# KiCad board vme-wren.kicad_pcb (continued)
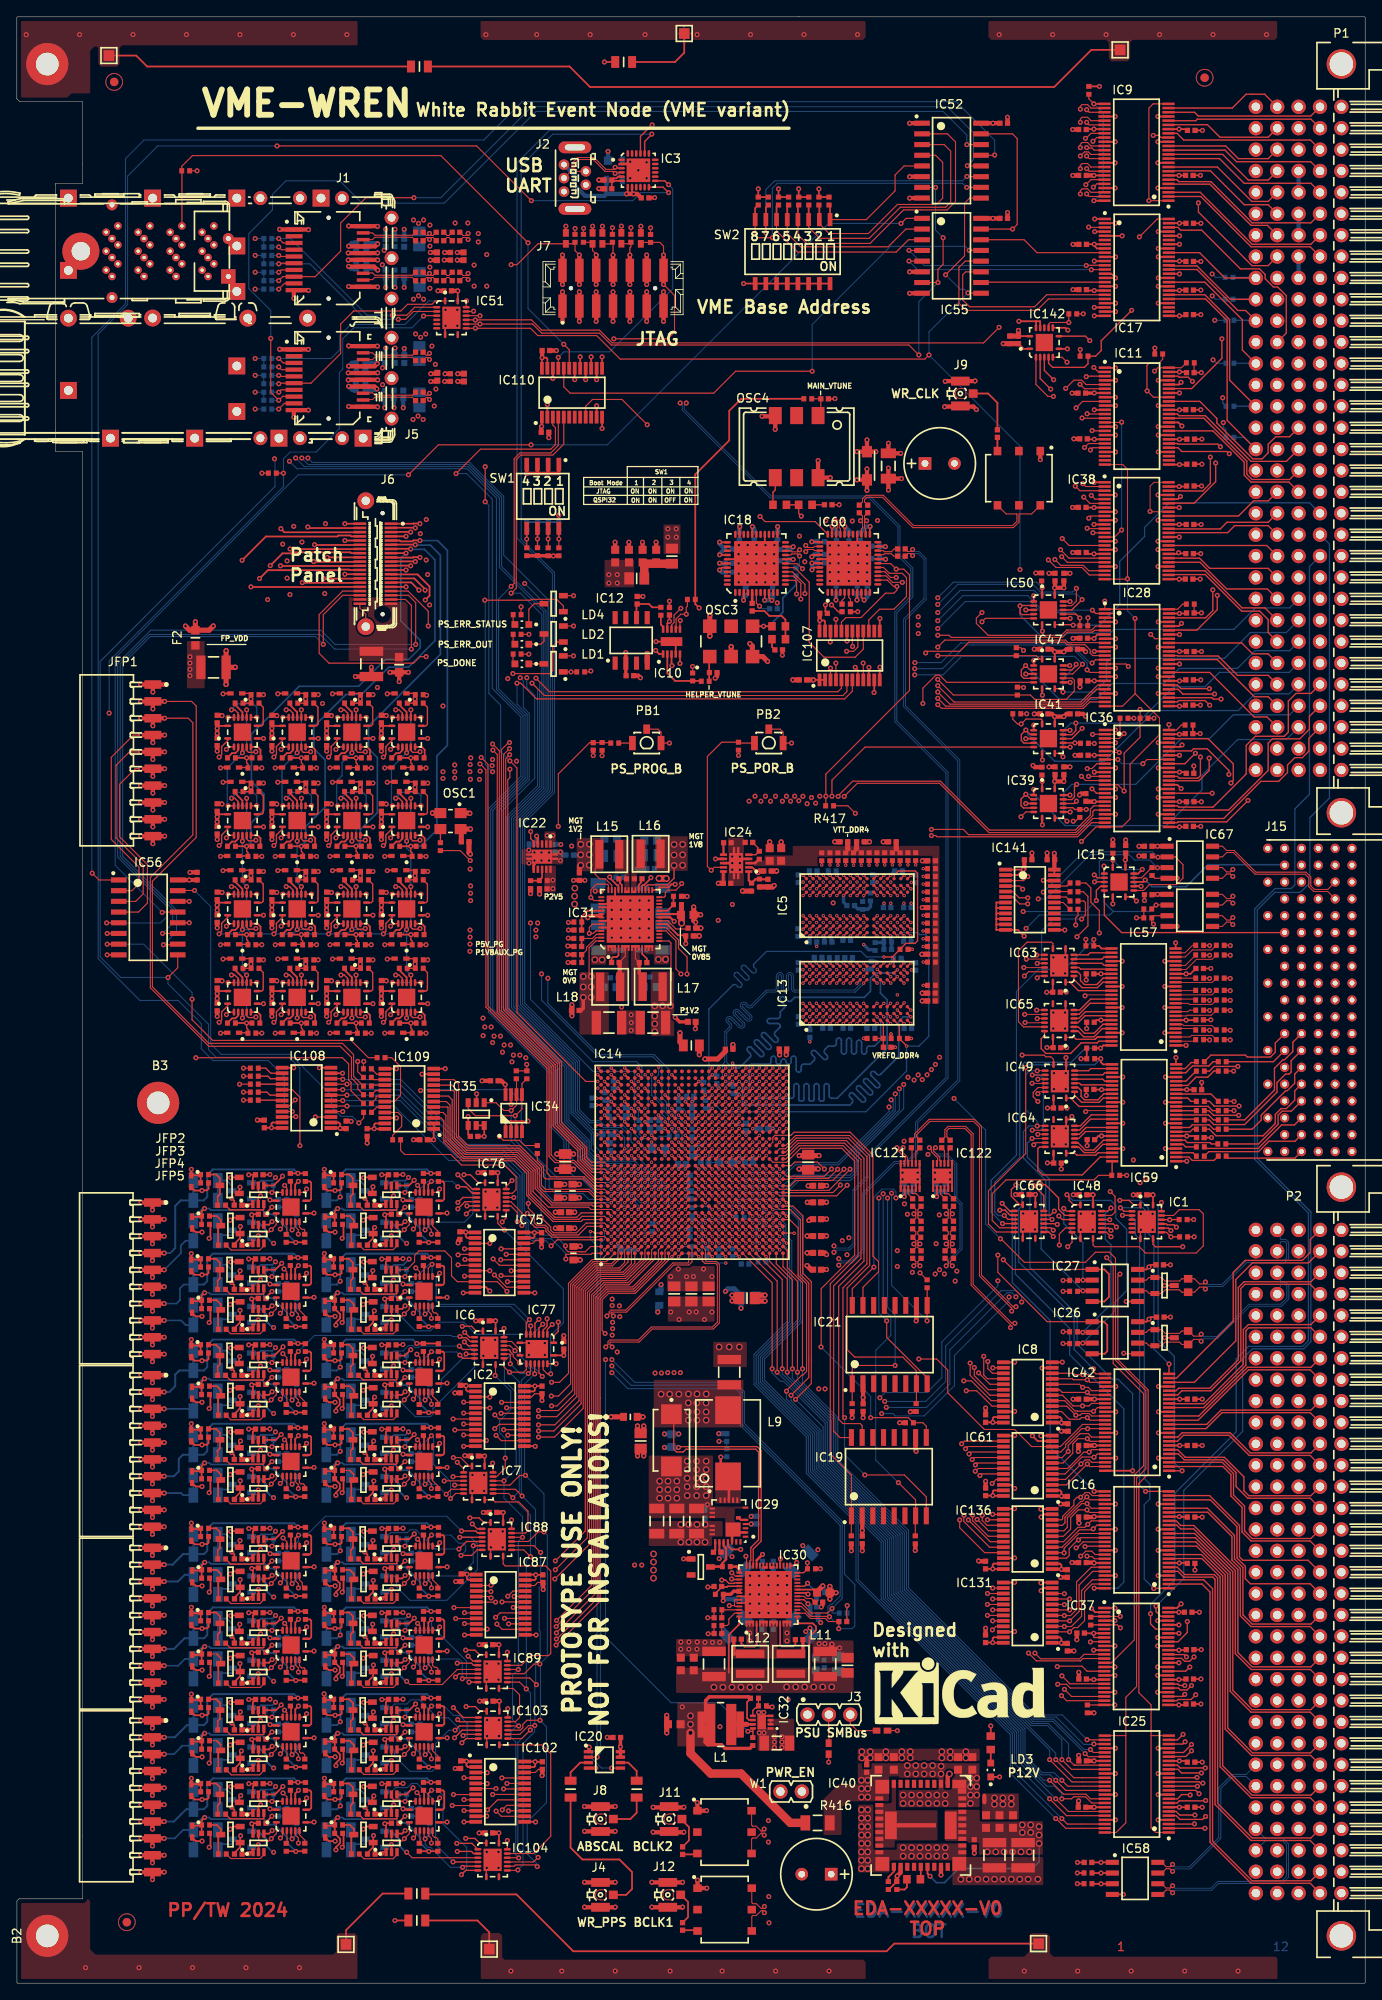
[diagram p0: board, top side]
## Library data of the parts (continued)
IC12 = -: Datasheet: \\cern.ch\dfs\Applications\Altium\Datasheets\REF5030AID.pdf; Author: CERN DEM MR; Bonding: No; Case: SOIC8; Component Kind: Standard; Component Type: Standard; ComponentHeight: 1.75mm; CreateDate: 10/14/16 00:00:00; Database Table Name: ICs And Semiconductors; Footprint Library: ICs And Semiconductors SMD; Footprint Path: PcbLib\ICs And Semiconductors SMD.PcbLib; Footprint Ref: SOIC127P600X175-8N; HelpURL: \\cern.ch\dfs\Applications\Altium\Datasheets\REF5030AID.pdf; LatestRevisionDate: 10/14/16 00:00:00; Library Name: Regulators; Library Path: SchLib\Regulators.SchLib; Library Ref: REF50xx; License: CC-BY-SA 4.0; Manufacturer: TEXAS INSTRUMENTS; Mounted: Yes; PackageDescription: SOIC 8, Pitch 1.27mm, Body 4x5mm, IPC Medium Density; Part Description: 3V, Low-Noise, Very Low Drift, Precision Voltage Reference, Standard Grade; Pin Count: 8; PressFit: No; SMD: Yes; Sense: No; Socket: No
IC14 = -: Datasheet: \\cern.ch\dfs\Applications\Altium\Datasheets\XCZU4CG-1SFVC784E.pdf; Author: CERN DEM HF; Bonding: No; Case: BGA784; Component Kind: Standard; Component Type: Standard; ComponentHeight: 3.32mm; ComponentLink1Description: Package/Pinout; ComponentLink1URL: \\cern.ch\dfs\Applications\Altium\Datasheets\XCZU4CG-1SFVC784E_Package-Pinout.pdf; ComponentLink2Description: Pinout; ComponentLink2URL: \\cern.ch\dfs\Applications\Altium\Datasheets\XCZU4CG-1SFVC784E_Pinout.pdf; CreateDate: 09/20/22 00:00:00; Database Table Name: ICs And Semiconductors; Footprint Library: ICs And Semiconductors SMD_BGA; Footprint Path: PcbLib\ICs And Semiconductors SMD_BGA.PcbLib; Footprint Ref: BGA784C80P28X28_2300X2300X332; HelpURL: \\cern.ch\dfs\Applications\Altium\Datasheets\XCZU4CG-1SFVC784E.pdf; LatestRevisionDate: 09/20/22 00:00:00; Library Name: Logic; Library Path: SchLib\Logic.SchLib; License: CC-BY-SA 4.0; Manufacturer: XILINX; Mounted: Yes; PackageDescription: BGA, 0.80mm Pitch, Square; 784 Pin, 28 Columns X 28 Rows, Body 23.0mm X 23.0mm X 3.32mm H, IPC Medium Density; Part Description: Zynq UltraScale+ MPSoC, Quad-Core ARM® Cortex™-A53 MPCore™ up to 1.5GHz, 214 PS I/O, 156 HP I/O, 96 HD I/O, 784-Pin BGA; Pin Count: 784; PressFit: No; SMD: Yes; Sense: No; Socket: No
IC15 IC23 IC39 IC41 IC44 IC47 IC53 IC62 IC69 IC72 IC78 IC81 IC84 IC90 IC93 IC96 IC99 IC105 IC112 IC115 IC118 IC124-IC130 IC132-IC135 IC137-IC140 = -: Datasheet: \\cern.ch\dfs\Applications\Altium\Datasheets\SN74LVTH125RGY.pdf; SMD: Yes; Library Ref: 74125; Library Path: SchLib\Standard Logic.SchLib; Component Kind: Standard; Component Type: Standard; PackageDescription: TEXAS Case Style RGY (S-PVQFN-N14), QFN, 0.50mm Pitch, Rect.; 14 Pin, 3.50mm L X 3.50mm W X 1mm H body (w/Thermal Tab 2.15 X 2.15mm); Part Description: 3.3V ABT Quadruple Bus Buffer with 3-State Outputs; Manufacturer: TEXAS INSTRUMENTS; Pin Count: 15; Case: QFN14; Mounted: Yes; Socket: No; PressFit: No; Sense: No; Bonding: No; ComponentHeight: 1mm; Footprint Path: PcbLib\ICs And Semiconductors SMD.PcbLib; Footprint Ref: TEXAS_RGY (S-PVQFN-N14); Author: CERN DEM BC; HelpURL: \\cern.ch\dfs\Applications\Altium\Datasheets\SN74LVTH125RGY.pdf; CreateDate: 04/22/20 00:00:00; LatestRevisionDate: 04/22/20 00:00:00; Database Table Name: ICs And Semiconductors; Library Name: Standard Logic; Footprint Library: ICs And Semiconductors SMD; License: CC-BY-SA 4.0
IC16 IC17 IC25 IC59 = -: Datasheet: \\cern.ch\dfs\Applications\Altium\Datasheets\SN74LVCH16T245DGG.pdf; SMD: Yes; Library Ref: 7416T245; Library Path: SchLib\Standard Logic.SchLib; Component Kind: Standard; Component Type: Standard; PackageDescription: SOP, 48-Leads, Body 12.6x6.2mm (max), Pitch 0.50mm, IPC Medium Density; Part Description: 16-Bit Dual-Supply Bus Transceiver with Configurable Voltage Translation and 3-State Outputs; Manufacturer: TEXAS INSTRUMENTS; Pin Count: 48; Case: TSSOP48; Mounted: Yes; Socket: No; PressFit: No; Sense: No; Bonding: No; ComponentHeight: 1.2mm; Footprint Path: PcbLib\ICs And Semiconductors SMD.PcbLib; Footprint Ref: SOP50P810X120-48N; Author: CERN DEM HF; HelpURL: \\cern.ch\dfs\Applications\Altium\Datasheets\SN74LVCH16T245DGG.pdf; CreateDate: 03/29/22 00:00:00; LatestRevisionDate: 03/29/22 00:00:00; Database Table Name: ICs And Semiconductors; Library Name: Standard Logic; Footprint Library: ICs And Semiconductors SMD; License: CC-BY-SA 4.0
IC18 = -: Datasheet: \\cern.ch\dfs\Applications\Altium\Datasheets\SI5340B-D-GM.pdf; Author: CERN DEM JLC; Bonding: No; Case: QFN44; Component Kind: Standard; Component Type: Standard; ComponentHeight: 0.9mm; CreateDate: 12/14/17 00:00:00; Database Table Name: ICs And Semiconductors; Footprint Library: ICs And Semiconductors SMD; Footprint Path: PcbLib\ICs And Semiconductors SMD.PcbLib; Footprint Ref: QFN50P700X700X90-45N-S530; HelpURL: \\cern.ch\dfs\Applications\Altium\Datasheets\SI5340B-D-GM.pdf; LatestRevisionDate: 12/14/17 00:00:00; Library Name: Analog & Interface; Library Path: SchLib\Analog & Interface.SchLib; Library Ref: SI5340; License: CC-BY-SA 4.0; Manufacturer: SILICON LABS; Mounted: Yes; PackageDescription: QFN, 0.50mm Pitch, Square; 44 Pin, 7.00mm L X 7.00mm W X 0.90mm H body (w/Thermal Tab 5.30 X 5.30mm), IPC Medium Density; Part Description: Low-Jitter, 4-Output, Any-Frequency, Any-Output Clock Generator; Pin Count: 45; PressFit: No; SMD: Yes; Sense: No; Socket: No
IC19 IC21 = -: Datasheet: \\cern.ch\dfs\Applications\Altium\Datasheets\MT25QU512ABB8ESF.pdf; Author: CERN DEM MR; Bonding: No; Case: SOIC16; Component Kind: Standard; Component Type: Standard; ComponentHeight: 2.65mm; CreateDate: 06/03/16 00:00:00; Database Table Name: ICs And Semiconductors; Footprint Library: ICs And Semiconductors SMD; Footprint Path: PcbLib\ICs And Semiconductors SMD.PcbLib; Footprint Ref: SOIC127P1030X265-16N; HelpURL: \\cern.ch\dfs\Applications\Altium\Datasheets\MT25QU512ABB8ESF.pdf; LatestRevisionDate: 06/03/16 00:00:00; Library Name: Logic; Library Path: SchLib\Logic.SchLib; Library Ref: MT25QxxxxxBB8ESF; License: CC-BY-SA 4.0; Manufacturer: MICRON TECHNOLOGY; Mounted: Yes; PackageDescription: SOIC, 1.27mm Pitch; 16 Pin, 7.50mm W X 10.3mm L X 2.65mm H body, IPC Medium Density; Part Description: 512Mbit (64MB), 1.7V-2.0V, Multiple I/O Serial NOR Flash Memory, with Reset# & Hold# Pins, –40°C to +85°C; Pin Count: 16; PressFit: No; SMD: Yes; Sense: No; Socket: No
IC20 = -: Datasheet: \\cern.ch\dfs\Applications\Altium\Datasheets\SN74LVC2G126.pdf; Author: CERN DEM MR; Bonding: No; Case: TSSOP8; Component Kind: Standard; Component Type: Standard; ComponentHeight: 1.3mm; CreateDate: 10/07/16 00:00:00; Database Table Name: ICs And Semiconductors; Footprint Library: ICs And Semiconductors SMD; Footprint Path: PcbLib\ICs And Semiconductors SMD.PcbLib; Footprint Ref: SOP65P400X130-8N; HelpURL: \\cern.ch\dfs\Applications\Altium\Datasheets\SN74LVC2G126.pdf; LatestRevisionDate: 07/28/20 00:00:00; Library Name: Standard Logic; Library Path: SchLib\Standard Logic.SchLib; Library Ref: 742G126; License: CC-BY-SA 4.0; Manufacturer: TEXAS INSTRUMENTS; Mounted: Yes; PackageDescription: SOP, 0.65mm Pitch; 8 Pin, 2.80mm W X 2.95mm L X 1.30mm H body, IPC Medium Density; Part Description: Dual Bus Buffer Gate With 3-State Outputs; Pin Count: 8; PressFit: No; SMD: Yes; Sense: No; Socket: No
IC22 = -: Datasheet: \\cern.ch\dfs\Applications\Altium\Datasheets\TPS74801DRCT.pdf; Author: CERN DEM JLC; Bonding: No; Case: SON10; Component Kind: Standard; Component Type: Standard; ComponentHeight: 1mm; CreateDate: 03/01/11 00:00:00; Database Table Name: ICs And Semiconductors; Footprint Library: ICs And Semiconductors SMD; Footprint Path: PcbLib\ICs And Semiconductors SMD.PcbLib; Footprint Ref: TEXAS_DRC (S-PVSON-N10); HelpURL: \\cern.ch\dfs\Applications\Altium\Datasheets\TPS74801DRCT.pdf; LatestRevisionDate: 11/06/13 00:00:00; Library Name: Regulators; Library Path: SchLib\Regulators.SchLib; Library Ref: TPS74801DRC; License: CC-BY-SA 4.0; Manufacturer: TEXAS INSTRUMENTS; Mounted: Yes; PackageDescription: TEXAS Case Style DRC (S-PVSON-N10), SON, 0.50mm Pitch, 10 Pin, 3.00mm W X 3.00mm L X 1.00mm H body, (w/Thermal Tab 1.75 X 2.50mm); Part Description: 0.8V to 3.6V 1.5A Low-Dropout Linear Regulator with Programmable Soft-Start; Pin Count: 11; PressFit: No; SMD: Yes; Sense: No; Socket: No
IC24 = -: Datasheet: \\cern.ch\dfs\Applications\Altium\Datasheets\TPS51200DRCT.pdf; Author: CERN DEM JLC; Bonding: No; Case: SON10; Component Kind: Standard; Component Type: Standard; ComponentHeight: 1mm; CreateDate: 02/03/10 00:00:00; Database Table Name: ICs And Semiconductors; Footprint Library: ICs And Semiconductors SMD; Footprint Path: PcbLib\ICs And Semiconductors SMD.PcbLib; Footprint Ref: TEXAS_DRC (S-PVSON-N10); HelpURL: \\cern.ch\dfs\Applications\Altium\Datasheets\TPS51200DRCT.pdf; LatestRevisionDate: 09/16/20 00:00:00; Library Name: Regulators; Library Path: SchLib\Regulators.SchLib; Library Ref: TPS51200DRC; License: CC-BY-SA 4.0; Manufacturer: TEXAS INSTRUMENTS; Mounted: Yes; PackageDescription: TEXAS Case Style DRC (S-PVSON-N10), SON, 0.50mm Pitch, 10 Pin, 3.00mm W  X 3.00mm L X 1.00mm H body, (w/Thermal Tab 1.75 X 2.50mm); Part Description: 3.3V Sink/Source DDR Termination Regulator; Pin Count: 11; PressFit: No; SMD: Yes; Sense: No; Socket: No
IC26 IC27 = -: Datasheet: \\cern.ch\dfs\Applications\Altium\Datasheets\MAX3430.pdf; Library Ref: MAX3430; Library Path: SchLib\Analog & Interface.SchLib; Component Kind: Standard; Component Type: Standard; PackageDescription: SOIC, 1.27mm Pitch; 8 Pin, 3.90mm W X 4.90mm L X 1.75mm H body, IPC Medium Density; Part Description: ±80V Fault-Protected, Fail-Safe, 1/4-Unit Load, +3.3V RS-485 Transceiver (-40°C to +85°C); Manufacturer: MAXIM; Pin Count: 8; Case: SOIC8; Mounted: Yes; Socket: No; SMD: Yes; PressFit: No; Sense: No; Bonding: No; ComponentHeight: 1.75mm; Footprint Path: PcbLib\ICs And Semiconductors SMD.PcbLib; Footprint Ref: SOIC127P600X175-8N; Author: CERN DEM BC; HelpURL: \\cern.ch\dfs\Applications\Altium\Datasheets\MAX3430.pdf; CreateDate: 02/10/20 00:00:00; LatestRevisionDate: 02/10/20 00:00:00; Database Table Name: ICs And Semiconductors; Library Name: Analog & Interface; Footprint Library: ICs And Semiconductors SMD; License: CC-BY-SA 4.0
IC29 = -: Datasheet: \\cern.ch\dfs\Applications\Altium\Datasheets\TDA21535AUMA1.pdf; Author: CERN DEM HF; Bonding: No; Case: PQFN28; Component Kind: Standard; Component Type: Standard; ComponentHeight: 1.1mm; CreateDate: 03/16/23 00:00:00; Database Table Name: ICs And Semiconductors; Footprint Library: ICs And Semiconductors SMD; Footprint Path: PcbLib\ICs And Semiconductors SMD.PcbLib; Footprint Ref: INFINEON_TDA21535; HelpURL: \\cern.ch\dfs\Applications\Altium\Datasheets\TDA21535AUMA1.pdf; LatestRevisionDate: 03/16/23 00:00:00; Library Name: Regulators; Library Path: SchLib\Regulators.SchLib; Library Ref: TDA21535; License: CC-BY-SA 4.0; Manufacturer: INFINEON; Mounted: Yes; PackageDescription: INFINEON INFINEON_TDA21535 ,PQFN 4 mm x 5 mm X 1.1mm H body; Part Description: 25A Half Bridge Driver for Synchronous Buck Converter; Pin Count: 27; PressFit: No; SMD: Yes; Sense: No; Socket: No; Status: Not Recommended; Status Comment: Solder Paste Deposition Limitation
IC30 IC31 = -: Datasheet: \\cern.ch\dfs\Applications\Altium\Datasheets\IRPS5401MTRPBF.pdf; Author: CERN DEM JLC; Bonding: No; Case: QFN; Component Kind: Standard; Component Type: Standard; ComponentHeight: 1mm; CreateDate: 08/21/18 00:00:00; Database Table Name: ICs And Semiconductors; Footprint Library: ICs And Semiconductors SMD; Footprint Path: PcbLib\ICs And Semiconductors SMD.PcbLib; Footprint Ref: INFINEON_PG-VQFN-56-900 (IRPS5401M); HelpURL: \\cern.ch\dfs\Applications\Altium\Datasheets\IRPS5401MTRPBF.pdf; LatestRevisionDate: 08/21/18 00:00:00; Library Name: Regulators; Library Path: SchLib\Regulators.SchLib; Library Ref: IRPS5401M; License: CC-BY-SA 4.0; Manufacturer: INFINEON; Mounted: Yes; PackageDescription: INFINEON Package PG-VQFN-56-900 (Version for IRPS5401M), 0.40mm Pitch, Square; 56 Pin, 7.00mm L X 7.00mm W X 1.00mm H Body (w/Thermal Tab 5.6 X 5.6mm); Part Description: Flexible Power Management Unit (4A, 4A, 2A and 2A Switching Regulators + 500mA Source/Sink Linear regulator); Pin Count: 57; PressFit: No; SMD: Yes; Sense: No; Socket: No
IC32 = -: Datasheet: \\cern.ch\dfs\Applications\Altium\Datasheets\TPS62125DSG.pdf; Author: CERN DEM MR; Bonding: No; Case: SON8; Component Kind: Standard; Component Type: Standard; ComponentHeight: 0.8mm; CreateDate: 07/05/16 00:00:00; Database Table Name: ICs And Semiconductors; Footprint Library: ICs And Semiconductors SMD; Footprint Path: PcbLib\ICs And Semiconductors SMD.PcbLib; Footprint Ref: SON50P200X200X80-9N-R100X170; HelpURL: \\cern.ch\dfs\Applications\Altium\Datasheets\TPS62125DSG.pdf; LatestRevisionDate: 07/05/16 00:00:00; Library Name: Regulators; Library Path: SchLib\Regulators.SchLib; Library Ref: TPS62125; License: CC-BY-SA 4.0; Manufacturer: TEXAS INSTRUMENTS; Mounted: Yes; PackageDescription: SON, 0.50mm Pitch; 8 Pin, 2.00mm W X 2.00mm L X 0.80mm H body (w/Thermal Tab 1.00 X 1.70mm), IPC Medium Density; Part Description: 3-V to 17-V, 300-mA Step-Down Converter With Adjustable Enable Threshold and Hysteresis; Pin Count: 9; PressFit: No; SMD: Yes; Sense: No; Socket: No
IC33 IC43 IC45 IC46 IC54 IC68 IC70 IC71 IC73 IC74 IC79 IC80 IC82 IC83 IC85 IC86 IC91 IC92 IC94 IC95 IC97 IC98 IC100 IC101 IC106 IC111 IC113 IC114 IC116 IC117 IC119 IC120 = -: Datasheet: \\cern.ch\dfs\Applications\Altium\Datasheets\SN74LVC1T45DCKT.pdf; Library Ref: 741T45; Library Path: SchLib\Standard Logic.SchLib; Comment: SN74LVC1T45DCK; Component Kind: Standard; Component Type: Standard; Device: SN74LVC1T45DCK; PackageDescription: SOT363, SC70-6, 0.65mm Pitch; 6 pin, 1.25mm W X 2.00mm L X 1.10mm H body, IPC Medium Density; Part Description: Single-Bit Dual-Supply Bus Transceiver with Configurable Voltage Translation and 3-State Outputs; Manufacturer: TEXAS INSTRUMENTS; Manufacturer Part Number: SN74LVC1T45DCK; Pin Count: 6; Case: SOT363; Mounted: Yes; Socket: No; SMD: Yes; PressFit: No; Sense: No; Bonding: No; ComponentHeight: 1.1mm; Footprint Path: PcbLib\ICs And Semiconductors SMD.PcbLib; Footprint Ref: SOT65P210X110-6N; Author: CERN DEM JLC; HelpURL: \\cern.ch\dfs\Applications\Altium\Datasheets\SN74LVC1T45DCKT.pdf; CreateDate: 09/27/10 00:00:00; LatestRevisionDate: 09/27/10 00:00:00; Database Table Name: ICs And Semiconductors; Library Name: Standard Logic; Footprint Library: ICs And Semiconductors SMD; License: CC-BY-SA 4.0
IC34 = -: Datasheet: \\cern.ch\dfs\Applications\Altium\Datasheets\24AA64T-I-MS.pdf; Author: CERN DEM JMW; Bonding: No; Case: MSOP8; Comment: 24AA64T-I/MS; Component Kind: Standard; Component Type: Standard; ComponentHeight: 1.1mm; CreateDate: 02/21/14 00:00:00; Database Table Name: ICs And Semiconductors; Device: 24AA64T-I/MS; Footprint Library: ICs And Semiconductors SMD; Footprint Path: PcbLib\ICs And Semiconductors SMD.PcbLib; Footprint Ref: SOP65P490X110-8N; HelpURL: \\cern.ch\dfs\Applications\Altium\Datasheets\24AA64T-I-MS.pdf; LatestRevisionDate: 02/21/14 00:00:00; Library Name: Logic; Library Path: SchLib\Logic.SchLib; Library Ref: 24AA64T-I/MS; License: CC-BY-SA 4.0; Manufacturer: MICROCHIP TECHNOLOGY; Manufacturer Part Number: 24AA64T-I/MS; Mounted: Yes; PackageDescription: SOP, 0.65mm pitch; 8 pin, 3.00mm W X 3.00mm L X 1.10mm H body, IPC Medium Density; Part Description: 1.7V-5.5V, 64K  (8K x 8-bit) I2C Serial EEPROM; Pin Count: 8; PressFit: No; SMD: Yes; Sense: No; Socket: No
IC35 = -: Datasheet: \\cern.ch\dfs\Applications\Altium\Datasheets\24AA025E48T-I-OT.pdf; Author: CERN DEM BC; Bonding: No; Case: SOT23-6; Comment: 24AA025E48T-I/OT; Component Kind: Standard; Component Type: Standard; ComponentHeight: 1.45mm; CreateDate: 12/06/19 00:00:00; Database Table Name: ICs And Semiconductors; Device: 24AA025E48T-I/OT; Footprint Library: ICs And Semiconductors SMD; Footprint Path: PcbLib\ICs And Semiconductors SMD.PcbLib; Footprint Ref: SOT95P280X145-6N; HelpURL: \\cern.ch\dfs\Applications\Altium\Datasheets\24AA025E48T-I-OT.pdf; LatestRevisionDate: 12/06/19 00:00:00; Library Name: Logic; Library Path: SchLib\Logic.SchLib; Library Ref: 24AA025E48T-I/OT; License: CC-BY-SA 4.0; Manufacturer: MICROCHIP TECHNOLOGY; Manufacturer Part Number: 24AA025E48T-I/OT; Mounted: Yes; PackageDescription: SOT, 0.95mm pitch; 6 pin, 1.60mm W X 2.90mm L X 1.45mm H body, IPC Medium Density; Part Description: 1.7V-5.5V, 2K I2C Serial EEPROM With EUI-48™ Node Identity; Cascadable; Pin Count: 6; PressFit: No; SMD: Yes; Sense: No; Socket: No
IC40 = -: Datasheet: \\cern.ch\dfs\Applications\Altium\Datasheets\LMZ31704RVQT.pdf; SMD: Yes; Library Ref: LMZ31704; Library Path: SchLib\Regulators.SchLib; Component Kind: Standard; Component Type: Standard; PackageDescription: TEXAS Case Style B3QFN, QFN, 0.80mm Pitch, Square; 42 Pin, 10.0mm W X 10.0mm L X 4.40mm H body (w/thermal tab 5.95 X 3.19mm + 1.3 X 3.19mm ); Part Description: 4A SIMPLE SWITCHER® Power Module with 2.95V-17V Input and Current Sharing in QFN Package; Manufacturer: TEXAS INSTRUMENTS; Pin Count: 42; Case: QFN40; Mounted: Yes; Socket: No; PressFit: No; Sense: No; Bonding: No; ComponentHeight: 4.4mm; Footprint Path: PcbLib\ICs And Semiconductors SMD.PcbLib; Footprint Ref: TEXAS_RVQ (S-PB3QFN-N42); HelpURL: \\cern.ch\dfs\Applications\Altium\Datasheets\LMZ31704RVQT.pdf; Author: CERN DEM JLC; CreateDate: 08/30/17 00:00:00; LatestRevisionDate: 08/30/17 00:00:00; Database Table Name: ICs And Semiconductors; Library Name: Regulators; Footprint Library: ICs And Semiconductors SMD; License: CC-BY-SA 4.0
IC42 IC123 = -: Datasheet: \\cern.ch\dfs\Applications\Altium\Datasheets\SN74LVCH16T245DGG.pdf; Library Ref: 7416T245; Library Path: SchLib\Standard Logic.SchLib; Component Kind: Standard; Component Type: Standard; PackageDescription: SOP, 48-Leads, Body 12.6x6.2mm (max), Pitch 0.50mm, IPC Medium Density; Part Description: 16-Bit Dual-Supply Bus Transceiver with Configurable Voltage Translation and 3-State Outputs; Manufacturer: TEXAS INSTRUMENTS; Pin Count: 48; Case: TSSOP48; Mounted: Yes; Socket: No; SMD: Yes; PressFit: No; Sense: No; Bonding: No; ComponentHeight: 1.2mm; Footprint Path: PcbLib\ICs And Semiconductors SMD.PcbLib; Footprint Ref: SOP50P810X120-48N; Author: CERN DEM HF; HelpURL: \\cern.ch\dfs\Applications\Altium\Datasheets\SN74LVCH16T245DGG.pdf; CreateDate: 03/29/22 00:00:00; LatestRevisionDate: 03/29/22 00:00:00; Database Table Name: ICs And Semiconductors; Library Name: Standard Logic; Footprint Library: ICs And Semiconductors SMD; License: CC-BY-SA 4.0
IC50 IC142 = -: Datasheet: \\cern.ch\dfs\Applications\Altium\Datasheets\SN74LVTH125RGY.pdf; Library Ref: 74125; Library Path: SchLib\Standard Logic.SchLib; Component Kind: Standard; Component Type: Standard; PackageDescription: TEXAS Case Style RGY (S-PVQFN-N14), QFN, 0.50mm Pitch, Rect.; 14 Pin, 3.50mm L X 3.50mm W X 1mm H body (w/Thermal Tab 2.15 X 2.15mm); Part Description: 3.3V ABT Quadruple Bus Buffer with 3-State Outputs; Manufacturer: TEXAS INSTRUMENTS; Pin Count: 15; Case: QFN14; Mounted: Yes; Socket: No; SMD: Yes; PressFit: No; Sense: No; Bonding: No; ComponentHeight: 1mm; Footprint Path: PcbLib\ICs And Semiconductors SMD.PcbLib; Footprint Ref: TEXAS_RGY (S-PVQFN-N14); Author: CERN DEM BC; HelpURL: \\cern.ch\dfs\Applications\Altium\Datasheets\SN74LVTH125RGY.pdf; CreateDate: 04/22/20 00:00:00; LatestRevisionDate: 04/22/20 00:00:00; Database Table Name: ICs And Semiconductors; Library Name: Standard Logic; Footprint Library: ICs And Semiconductors SMD; License: CC-BY-SA 4.0
IC52 IC55 IC56 = -: Datasheet: \\cern.ch\dfs\Applications\Altium\Datasheets\SN74LV166ANS.pdf; Library Ref: 74166; Library Path: SchLib\Standard Logic.SchLib; Component Kind: Standard; Component Type: Standard; PackageDescription: SOIC, 1.27mm Pitch; 16 Pin, 5.30mm W X 10.2mm L X 2.00mm H body, IPC Medium Density; Part Description: 8-Bit Parallel-Load  Shift Register; Manufacturer: TEXAS INSTRUMENTS; Pin Count: 16; Case: SOIC16; Mounted: Yes; Socket: No; SMD: Yes; PressFit: No; Sense: No; Bonding: No; ComponentHeight: 2mm; Footprint Path: PcbLib\ICs And Semiconductors SMD.PcbLib; Footprint Ref: SOIC127P780X200-16N; Author: CERN DEM BC; HelpURL: \\cern.ch\dfs\Applications\Altium\Datasheets\SN74LV166ANS.pdf; CreateDate: 04/29/20 00:00:00; LatestRevisionDate: 04/29/20 00:00:00; Database Table Name: ICs And Semiconductors; Library Name: Standard Logic; Footprint Library: ICs And Semiconductors SMD; License: CC-BY-SA 4.0
IC57 IC58 IC67 = -: Datasheet: \\cern.ch\dfs\Applications\Altium\Datasheets\DS90LV027AQMA-NOPB.pdf; Library Ref: DS90LV027AQ; Library Path: SchLib\Analog & Interface.SchLib; Comment: DS90LV027AQMA/NOPB; Component Kind: Standard; Component Type: Standard; Device: DS90LV027AQMA/NOPB; PackageDescription: SOIC 8, Pitch 1.27mm - Body 4x5mm, IPC Medium Density; Part Description: Automotive LVDS Dual Differential Driver; Manufacturer: TEXAS INSTRUMENTS; Manufacturer Part Number: DS90LV027AQMA; Pin Count: 8; Case: SOIC8; Mounted: Yes; Socket: No; SMD: Yes; PressFit: No; Sense: No; Bonding: No; ComponentHeight: 1.75mm; Footprint Path: PcbLib\ICs And Semiconductors SMD.PcbLib; Footprint Ref: SOIC127P600X175-8N; Author: CERN DEM JLC; HelpURL: \\cern.ch\dfs\Applications\Altium\Datasheets\DS90LV027AQMA-NOPB.pdf; CreateDate: 01/11/17 00:00:00; LatestRevisionDate: 06/01/22 00:00:00; Database Table Name: ICs And Semiconductors; Library Name: Analog & Interface; Footprint Library: ICs And Semiconductors SMD; License: CC-BY-SA 4.0
IC60 = -: Datasheet: \\cern.ch\dfs\Applications\Altium\Datasheets\SI5340B-D-GM.pdf; SMD: Yes; Library Ref: SI5340; Library Path: SchLib\Analog & Interface.SchLib; Component Kind: Standard; Component Type: Standard; PackageDescription: QFN, 0.50mm Pitch, Square; 44 Pin, 7.00mm L X 7.00mm W X 0.90mm H body (w/Thermal Tab 5.30 X 5.30mm), IPC Medium Density; Part Description: Low-Jitter, 4-Output, Any-Frequency, Any-Output Clock Generator; Manufacturer: SILICON LABS; Pin Count: 45; Case: QFN44; Mounted: Yes; Socket: No; PressFit: No; Sense: No; Bonding: No; ComponentHeight: 0.9mm; Footprint Path: PcbLib\ICs And Semiconductors SMD.PcbLib; Footprint Ref: QFN50P700X700X90-45N-S530; Author: CERN DEM JLC; HelpURL: \\cern.ch\dfs\Applications\Altium\Datasheets\SI5340B-D-GM.pdf; CreateDate: 12/14/17 00:00:00; LatestRevisionDate: 12/14/17 00:00:00; Database Table Name: ICs And Semiconductors; Library Name: Analog & Interface; Footprint Library: ICs And Semiconductors SMD; License: CC-BY-SA 4.0
IC61 = -: PART NUMBER: SN74VMEH22501DGGR; COMPONENT KIND: Standard; COMPONENT TYPE: Standard; DEVICE: SN74VMEH22501DGGR; PACKAGEDESCRIPTION: SOP, 48-Leads, Body 12.6x6.2mm (max), Pitch 0.50mm, IPC Medium Density; PART DESCRIPTION: 8-Bit Universal Bus Transceiver and Two 1-Bit Bus Transceivers with 3-State Outputs; MANUFACTURER: TEXAS INSTRUMENTS; MANUFACTURER PART NUMBER: SN74VMEH22501DGGR; PIN COUNT: 48; CASE: TSSOP48; MOUNTED: Yes; SOCKET: No; SMD: Yes; COMPONENTHEIGHT: 1.2mm; AUTHOR: CERN DEM JLC; HELPURL: ~{\}cern.c~{h}df~{s}Application~{s}Altiu~{m}Datasheet~{s}SN74VMEH22501DGGR.pdf; CREATEDATE: 10/27/2009; LATESTREVISIONDATE: 10/27/2009; TABLE: Standard Logic
IC121 IC122 = -: Datasheet: \\cern.ch\dfs\Applications\Altium\Datasheets\LTC6957IDD-2#PBF.pdf; Library Ref: LTC6957IDD-2; Library Path: SchLib\Analog & Interface.SchLib; Comment: LTC6957IDD-2; Component Kind: Standard; Component Type: Standard; Device: LTC6957IDD-2; PackageDescription: SON, 0.45mm Pitch; 12 Pin, 3.00mm W X 3.00mm L X 0.80mm H Body (w/Thermal tab 1.75 x 2.48mm), IPC Medium Density; Part Description: Low Phase Noise, Dual Output Buffer/Driver/Logic Converter, LVDS Logic Outputs; Manufacturer: LINEAR TECHNOLOGY; Manufacturer Part Number: LTC6957IDD-2; Pin Count: 13; Case: SON12; Mounted: Yes; Socket: No; SMD: Yes; PressFit: No; Sense: No; Bonding: No; ComponentHeight: 0.8mm; Footprint Path: PcbLib\ICs And Semiconductors SMD.PcbLib; Footprint Ref: SON45P300X300X80-13N-R175X248; Author: CERN DEM MR; HelpURL: \\cern.ch\dfs\Applications\Altium\Datasheets\LTC6957IDD-2#PBF.pdf; CreateDate: 09/12/16 00:00:00; LatestRevisionDate: 02/02/22 00:00:00; Database Table Name: ICs And Semiconductors; Library Name: Analog & Interface; Footprint Library: ICs And Semiconductors SMD; License: CC-BY-SA 4.0
J1 J5 = -: Datasheet: \\cern.ch\dfs\Applications\Altium\Datasheets\TYCO_1888247-1.pdf; SMD: Yes; Family: SFP+; Part Number: TYCO_1888247-1; Library Ref: SFP+x1; Library Path: SchLib\Connectors.SchLib; Component Kind: Standard; Component Type: Standard; Pin Count: 20; Footprint Path: PcbLib\TYCO SMD.PcbLib; Footprint Ref: TYCO_1888247-1; Mounted: Yes; Socket: No; PressFit: No; Sense: No; Status: None; Part Description: 20 Position, Pitch 0.8mm SFP+ Receptacle (Small Form-factor Pluggable); Manufacturer: TYCO ELECTRONICS; Manufacturer Part Number: 1888247-1; ComponentHeight: 5.4mm; HelpURL: \\cern.ch\dfs\Applications\Altium\Datasheets\TYCO_1888247-1.pdf; Author: CERN DEM JLC; CreateDate: 02/27/12 00:00:00; LatestRevisionDate: 02/27/12 00:00:00; Database Table Name: Connectors; Library Name: TYCO; Footprint Library: TYCO SMD; License: CC-BY-SA 4.0
J2 = -: Datasheet: \\cern.ch\dfs\Applications\Altium\Datasheets\MOLEX_500075-1517.pdf; Author: CERN DEM JLC; Component Kind: Standard; Component Type: Standard; ComponentHeight: 7.7mm; CreateDate: 07/25/12 00:00:00; Database Table Name: Connectors; Family: USB; Footprint Library: MOLEX THD; Footprint Path: PcbLib\MOLEX THD.PcbLib; HelpURL: \\cern.ch\dfs\Applications\Altium\Datasheets\MOLEX_500075-1517.pdf; LatestRevisionDate: 07/25/12 00:00:00; Library Name: MOLEX; Library Path: SchLib\Connectors.SchLib; Library Ref: Connector USB 5 Pin + 1Shield; License: CC-BY-SA 4.0; Manufacturer: MOLEX; Manufacturer Part Number: 500075-1517; Mounted: Yes; Part Description: USB Mini-B Serie Type 2, Through Hole Straight Receptacle; Pin Count: 6; PressFit: No; SMD: No; Sense: No; Socket: No; Status: None
J3 = -: Datasheet: \\cern.ch\dfs\Applications\Altium\Datasheets\SAMTEC_MTLW-103-07-L-S-250.pdf; Author: CERN DEM JLC; Component Kind: Standard; Component Type: Standard; ComponentHeight: 7.87mm; CreateDate: 12/13/12 00:00:00; Database Table Name: Connectors; Family: Header 3; Footprint Library: SAMTEC THD; Footprint Path: PcbLib\SAMTEC THD.PcbLib; HelpURL: \\cern.ch\dfs\Applications\Altium\Datasheets\SAMTEC_MTLW-103-07-L-S-250.pdf; LatestRevisionDate: 12/13/12 00:00:00; Library Name: SAMTEC; Library Path: SchLib\Connectors.SchLib; Library Ref: Wire-Wrap Contact x3; License: CC-BY-SA 4.0; Manufacturer: SAMTEC; Manufacturer Part Number: MTLW-103-07-L-S-250; Mounted: Yes; Part Description: 3 Contacts, Pitch 2.54mm, Single Row Through Mount Straight Header (Post Lead = 6.35mm, Tail Lead 3.05mm, Insulator 1.52mm); Pin Count: 3; PressFit: No; SMD: No; Sense: No; Socket: No; Status: None
J4 J8 J9 J11 J12 = -: Datasheet: \\cern.ch\dfs\Applications\Altium\Datasheets\HIROSE_U.FL-R-SMT-1(10).pdf; SMD: Yes; Comment: U.FL; Library Ref: Coax_1Male_1Shield; Library Path: SchLib\Connectors.SchLib; Component Kind: Standard; Component Type: Standard; Pin Count: 2; Footprint Path: PcbLib\Miscellaneous SMD.PcbLib; Family: U.FL; Mounted: Yes; Socket: No; PressFit: No; Sense: No; Status: None; Part Description: Up to 6GHz Ultra Small Surface Mount Male Coaxial Connectors U.FL Series; Manufacturer: HIROSE (HRS); Manufacturer Part Number: U.FL-R-SMT-1(10); ComponentHeight: 1.25mm; HelpURL: \\cern.ch\dfs\Applications\Altium\Datasheets\HIROSE_U.FL-R-SMT-1(10).pdf; Author: CERN DEM JLC; CreateDate: 03/24/10 00:00:00; LatestRevisionDate: 03/24/10 00:00:00; Database Table Name: Connectors; Library Name: Miscellaneous; Footprint Library: Miscellaneous SMD; License: CC-BY-SA 4.0
J6 = -: Datasheet: \\cern.ch\dfs\Applications\Altium\Datasheets\SAMTEC_LSHM-120-02.5-X-DV-A-S.pdf; Library Ref: Connector 40 Hermaphroditic + 1 Shield; Library Path: SchLib\Connectors.SchLib; Component Kind: Standard; Component Type: Standard; Pin Count: 40; Footprint Path: PcbLib\SAMTEC SMD.PcbLib; Footprint Ref: SAMTEC_LSHM-120-02.5-X-DV-A-S; Mounted: Yes; Socket: No; PressFit: No; Sense: No; Status: Preferred; Part Description: 40 Contacts, Pitch 0.5mm, Razor Beam™ Vertical High Speed Hermaphroditic Strip, with Shield, Lead Style-02.5; Manufacturer: SAMTEC; Manufacturer Part Number: LSHM-120-02.5-L-DV-A-S; ComponentHeight: 3.95mm; HelpURL: \\cern.ch\dfs\Applications\Altium\Datasheets\SAMTEC_LSHM-120-02.5-X-DV-A-S.pdf; Author: CERN DEM HF; CreateDate: 07/18/22 00:00:00; LatestRevisionDate: 07/18/22 00:00:00; SMD: Yes; Database Table Name: Connectors; Library Name: SAMTEC; Footprint Library: SAMTEC SMD; License: CC-BY-SA 4.0
J7 = -: Datasheet: \\cern.ch\dfs\Applications\Altium\Datasheets\MOLEX_87832-1420.pdf; Author: CERN DEM JLC; Component Kind: Standard; Component Type: Standard; ComponentHeight: 7.6mm; CreateDate: 09/09/08 00:00:00; Database Table Name: Connectors; Family: Milli-Grid™; Footprint Library: MOLEX SMD; Footprint Path: PcbLib\MOLEX SMD.PcbLib; HelpURL: \\cern.ch\dfs\Applications\Altium\Datasheets\MOLEX_87832-1420.pdf; LatestRevisionDate: 09/09/08 00:00:00; Library Name: MOLEX; Library Path: SchLib\Connectors.SchLib; Library Ref: Connector 14 Male; License: CC-BY-SA 4.0; Manufacturer: MOLEX; Manufacturer Part Number: 87832-1420; Mounted: Yes; Part Description: 2.00mm (.079") Pitch Milli-Grid™ Header, Surface Mount, Vertical, Shrouded, 14 Circuits, with Locking Windows and Centre Polarization Slot, PCB Locator; Pin Count: 14; PressFit: No; SMD: Yes; Sense: No; Socket: No; Status: None
J13 = -: Datasheet: \\cern.ch\dfs\Applications\Altium\Datasheets\TYCO_2149027-1.pdf; Description: Mini-SAS HD; Library Ref: Mini-SAS HD; Library Path: SchLib\Connectors.SchLib; Component Kind: Standard; Component Type: Standard; Pin Count: 36; Footprint Path: PcbLib\TYCO THD.PcbLib; Family: Mini-SAS HD; Mounted: No; Socket: No; SMD: No; PressFit: Yes; Sense: No; Status: None; Part Description: 36 Contacts, Through Hole, Right Angle, Mini-SAS High Density; Manufacturer: TYCO ELECTRONICS; Manufacturer Part Number: 2149027-1; ComponentHeight: 12.32mm; HelpURL: \\cern.ch\dfs\Applications\Altium\Datasheets\TYCO_2149027-1.pdf; Author: CERN DEM HF; CreateDate: 08/21/23 00:00:00; LatestRevisionDate: 08/21/23 00:00:00; Database Table Name: Connectors; Library Name: TYCO; Footprint Library: TYCO THD; License: CC-BY-SA 4.0
J15 = -: Datasheet: \\cern.ch\dfs\Applications\Altium\Datasheets\HARTING_17 25 095 2102.pdf; Description: HAR-BUS HM Type B19; Library Ref: Connector HAR-BUS 95 Female (abcdef) + Shield (f); Library Path: SchLib\Connectors.SchLib; Component Kind: Standard; Component Type: Standard; Pin Count: 105; Footprint Path: PcbLib\HARTING THD.PcbLib; Footprint Ref: HARTING_17 25 095 2102; Family: HAR-BUS HM Type B19; Mounted: Yes; Socket: No; SMD: No; PressFit: Yes; Sense: No; Status: None; Part Description: Har-bus HM Type B19, 95 Contacts (abcde), Pitch 2mm, 3.4mm Press-in Terminations, Female Angled Connector, with Pre-installed Upper Shield (f); Manufacturer: HARTING; Manufacturer Part Number: 17 25 095 2102; ComponentHeight: 7.57mm; HelpURL: \\cern.ch\dfs\Applications\Altium\Datasheets\HARTING_17 25 095 2102.pdf; Author: CERN DEM JMW; CreateDate: 05/28/08 00:00:00; LatestRevisionDate: 06/18/14 00:00:00; Database Table Name: Connectors; Library Name: HARTING; Footprint Library: HARTING THD; License: CC-BY-SA 4.0; Field42: a; Field43: f; Field44: e; Field45: 1; Field46: 19; Field47: d; Field48: b; Field49: c
JFP1-JFP5 = -: Datasheet: \\cern.ch\dfs\Applications\Altium\Datasheets\HARWIN_M22-654XX.pdf; Description: Socket 10; Library Ref: Connector 10 Female; Library Path: SchLib\Connectors.SchLib; Component Kind: Standard; Component Type: Standard; Pin Count: 10; Footprint Path: PcbLib\HARWIN SMD.PcbLib; Family: Socket 10; Mounted: Yes; Socket: No; SMD: Yes; PressFit: No; Sense: No; Status: None; Part Description: 10 Contacts - Pitch 2mm - Single Row Horizontal SMD Mount; Manufacturer: HARWIN; Manufacturer Part Number: M22-6541042R; ComponentHeight: 2.15mm; HelpURL: \\cern.ch\dfs\Applications\Altium\Datasheets\HARWIN_M22-654XX.pdf; Author: CERN DEM HF; CreateDate: 01/29/24 00:00:00; LatestRevisionDate: 01/29/24 00:00:00; Database Table Name: Connectors; Library Name: HARWIN; Footprint Library: HARWIN SMD; License: This work is licensed under the Creative Commons CC-BY-SA 4.0 License. To the extent that circuit schematics that use Licensed Material can be considered to be ‘Adapted Material’, then the copyright holder waives article 3.b of the license with respect to these schematics.
L1 = -: Datasheet: \\cern.ch\dfs\Applications\Altium\Datasheets\IND_TDK_VLCF.pdf; Author: CERN DEM JLC; Comment: 10uH; Component Kind: Standard; Component Type: Standard; ComponentHeight: 2mm; CreateDate: 07/10/14 00:00:00; Database Table Name: Inductors & Transformers; Footprint Library: Inductors SMD; Footprint Path: PcbLib\Inductors SMD.PcbLib; Footprint Ref: IND_TDK_VLCF5020-1; HelpURL: \\cern.ch\dfs\Applications\Altium\Datasheets\IND_TDK_VLCF.pdf; LatestRevisionDate: 07/10/14 00:00:00; Library Name: Inductors SMD; Library Path: SchLib\Inductors & Transformers.SchLib; Library Ref: Inductor With Magnetic core; License: CC-BY-SA 4.0; Manufacturer: TDK; Manufacturer Part Number: VLCF5020T-100M1R1-1; Mounted: Yes; Part Description: SMD Inductor for Power Circuits (Wound/STD , Magnetic Shielded), VLCF series; Pin Count: 2; Power: 1.5A; Resistance: 0.198R; SMD: Yes; Sense: No; Socket: No; Tolerance: ±20%; Val: 10uH
L2 = -: Datasheet: \\cern.ch\dfs\Applications\Altium\Datasheets\IND0805_WURTH_742792040.pdf; Author: CERN DEM JLC; Case: 0805; Comment: 600R@100MHz; Component Kind: Standard; Component Type: Standard; ComponentHeight: 1.1mm; CreateDate: 05/10/10 00:00:00; Database Table Name: Inductors & Transformers; Footprint Library: Inductors SMD; Footprint Path: PcbLib\Inductors SMD.PcbLib; Footprint Ref: INDC2012X110N; HelpURL: \\cern.ch\dfs\Applications\Altium\Datasheets\IND0805_WURTH_742792040.pdf; LatestRevisionDate: 10/25/18 00:00:00; Library Name: Inductors SMD; Library Path: SchLib\Inductors & Transformers.SchLib; Library Ref: Ferrite Bead; License: CC-BY-SA 4.0; Manufacturer: WURTH ELEKTRONIK; Manufacturer Part Number: 742792040; Mounted: Yes; Part Description: SMD EMI Suppression Chip Ferrite Bead (WE-CBF Series); Pin Count: 2; Power: 2A; Resistance: 0.150R; SMD: Yes; Sense: No; Socket: No; Tolerance: ±25%; Val: 600R@100MHz
L3 L4 L8 L19 = -: Datasheet: \\cern.ch\dfs\Applications\Altium\Datasheets\IND0805_MURATA_BLM21P.pdf; SMD: Yes; Val: 220R@100MHz; Library Ref: Ferrite Bead; Library Path: SchLib\Inductors & Transformers.SchLib; Comment: 220R@100MHz; Component Kind: Standard; Component Type: Standard; Pin Count: 2; Footprint Path: PcbLib\Inductors SMD.PcbLib; Footprint Ref: INDC2012X105N; Power: 2A; Resistance: 0.05R; Tolerance: ±25%; Part Description: SMD EMIFIL Suppression Chip Ferrite Bead; Manufacturer: MURATA; Manufacturer Part Number: BLM21PG221SN1D; Case: 0805; Mounted: Yes; Socket: No; Sense: No; ComponentHeight: 1.05mm; HelpURL: \\cern.ch\dfs\Applications\Altium\Datasheets\IND0805_MURATA_BLM21P.pdf; Author: CERN DEM JLC; CreateDate: 01/25/10 00:00:00; LatestRevisionDate: 10/25/18 00:00:00; Database Table Name: Inductors & Transformers; Library Name: Inductors SMD; Footprint Library: Inductors SMD; License: CC-BY-SA 4.0
L5 L6 = -: Datasheet: \\cern.ch\dfs\Applications\Altium\Datasheets\IND0603_MURATA_BLM18P.pdf; Author: CERN DEM BC; Case: 0603; Comment: 120R@100MHz; Component Kind: Standard; Component Type: Standard; ComponentHeight: 0.95mm; CreateDate: 07/27/15 00:00:00; Database Table Name: Inductors & Transformers; Footprint Library: Inductors SMD; Footprint Path: PcbLib\Inductors SMD.PcbLib; Footprint Ref: INDC1608X95N; HelpURL: \\cern.ch\dfs\Applications\Altium\Datasheets\IND0603_MURATA_BLM18P.pdf; LatestRevisionDate: 10/25/18 00:00:00; Library Name: Inductors SMD; Library Path: SchLib\Inductors & Transformers.SchLib; Library Ref: Ferrite Bead; License: CC-BY-SA 4.0; Manufacturer: MURATA; Manufacturer Part Number: BLM18PG121SN1D; Mounted: Yes; Part Description: SMD EMIFIL Chip Ferrite Bead; Pin Count: 2; Power: 2A; Resistance: 0.05R; SMD: Yes; Sense: No; Socket: No; Val: 120R@100MHz
L7 = -: Datasheet: \\cern.ch\dfs\Applications\Altium\Datasheets\IND1206_MURATA_BLM31P.pdf; Author: CERN DEM JLC; Case: 1206; Comment: 50R@100MHz; Component Kind: Standard; Component Type: Standard; ComponentHeight: 1.3mm; CreateDate: 12/05/13 00:00:00; Database Table Name: Inductors & Transformers; Footprint Library: Inductors SMD; Footprint Path: PcbLib\Inductors SMD.PcbLib; Footprint Ref: IND_MURATA_BLM31PG; HelpURL: \\cern.ch\dfs\Applications\Altium\Datasheets\IND1206_MURATA_BLM31P.pdf; LatestRevisionDate: 10/25/18 00:00:00; Library Name: Inductors SMD; Library Path: SchLib\Inductors & Transformers.SchLib; Library Ref: Ferrite Bead; License: CC-BY-SA 4.0; Manufacturer: MURATA; Manufacturer Part Number: BLM31PG500SN1; Mounted: Yes; Part Description: SMD EMIFIL Chip Ferrite Bead; Pin Count: 2; Power: 3.5A; Resistance: 0.015R; SMD: Yes; Sense: No; Socket: No; Val: 50R@100MHz
L9 = -: Datasheet: \\cern.ch\dfs\Applications\Altium\Datasheets\IND_PULSE_PA2607.pdf; Author: CERN DEM BC; Comment: 175nH; Component Kind: Standard; Component Type: Standard; ComponentHeight: 7.6mm; CreateDate: 08/07/19 00:00:00; Database Table Name: Inductors & Transformers; Footprint Library: Inductors SMD; Footprint Path: PcbLib\Inductors SMD.PcbLib; Footprint Ref: IND_PULSE_PA2607; HelpURL: \\cern.ch\dfs\Applications\Altium\Datasheets\IND_PULSE_PA2607.pdf; LatestRevisionDate: 08/07/19 00:00:00; Library Name: Inductors SMD; Library Path: SchLib\Inductors & Transformers.SchLib; Library Ref: Inductor With Magnetic core 1Dot; License: CC-BY-SA 4.0; Manufacturer: PULSE ELECTRONICS; Manufacturer Part Number: PA2607.181NL; Mounted: Yes; Part Description: SMT Power Inductor; Pin Count: 2; Power: 62A; Resistance: 0.00029R; SMD: Yes; Sense: No; Socket: No; Tolerance: ±15%; Val: 175nH
L11 L12 = -: Datasheet: \\cern.ch\dfs\Applications\Altium\Datasheets\IND_COILCRAFT_XAL4030.pdf; Author: CERN DEM BC; Comment: 3.3uH; Component Kind: Standard; Component Type: Standard; ComponentHeight: 3.1mm; CreateDate: 08/07/19 00:00:00; Database Table Name: Inductors & Transformers; Footprint Library: Inductors SMD; Footprint Path: PcbLib\Inductors SMD.PcbLib; Footprint Ref: IND_COILCRAFT_XAL4030; HelpURL: \\cern.ch\dfs\Applications\Altium\Datasheets\IND_COILCRAFT_XAL4030.pdf; LatestRevisionDate: 08/07/19 00:00:00; Library Name: Inductors SMD; Library Path: SchLib\Inductors & Transformers.SchLib; Library Ref: Inductor With Magnetic core; License: CC-BY-SA 4.0; Manufacturer: COILCRAFT; Manufacturer Part Number: XAL4030-332ME; Mounted: Yes; Part Description: SMD Shielded Power Inductor; Pin Count: 2; Power: 5A; Resistance: 0.026R; SMD: Yes; Sense: No; Socket: No; Tolerance: ±20%; Val: 3.3uH
L13 L14 = -: Datasheet: \\cern.ch\dfs\Applications\Altium\Datasheets\IND0805_MURATA_BLM21P.pdf; Author: CERN DEM JLC; Case: 0805; Comment: 220R@100MHz; Component Kind: Standard; Component Type: Standard; ComponentHeight: 1.05mm; CreateDate: 01/25/10 00:00:00; Database Table Name: Inductors & Transformers; Footprint Library: Inductors SMD; Footprint Path: PcbLib\Inductors SMD.PcbLib; Footprint Ref: INDC2012X105N; HelpURL: \\cern.ch\dfs\Applications\Altium\Datasheets\IND0805_MURATA_BLM21P.pdf; LatestRevisionDate: 10/25/18 00:00:00; Library Name: Inductors SMD; Library Path: SchLib\Inductors & Transformers.SchLib; Library Ref: Ferrite Bead; License: CC-BY-SA 4.0; Manufacturer: MURATA; Manufacturer Part Number: BLM21PG221SN1D; Mounted: Yes; Part Description: SMD EMIFIL Suppression Chip Ferrite Bead; Pin Count: 2; Power: 2A; Resistance: 0.05R; SMD: Yes; Sense: No; Socket: No; Tolerance: ±25%; Val: 220R@100MHz
L15 L17 L18 = -: Datasheet: \\cern.ch\dfs\Applications\Altium\Datasheets\IND_COILCRAFT_XAL4020.pdf; Author: CERN DEM BC; Comment: 1.5uH; Component Kind: Standard; Component Type: Standard; ComponentHeight: 2.1mm; CreateDate: 08/07/19 00:00:00; Database Table Name: Inductors & Transformers; Footprint Library: Inductors SMD; Footprint Path: PcbLib\Inductors SMD.PcbLib; Footprint Ref: IND_COILCRAFT_XAL4020; HelpURL: \\cern.ch\dfs\Applications\Altium\Datasheets\IND_COILCRAFT_XAL4020.pdf; LatestRevisionDate: 08/07/19 00:00:00; Library Name: Inductors SMD; Library Path: SchLib\Inductors & Transformers.SchLib; Library Ref: Inductor With Magnetic core; License: CC-BY-SA 4.0; Manufacturer: COILCRAFT; Manufacturer Part Number: XAL4030-152ME; Mounted: Yes; Part Description: SMD Shielded Power Inductor; Pin Count: 2; Power: 5.2A; Resistance: 0.02145R; SMD: Yes; Sense: No; Socket: No; Tolerance: ±20%; Val: 1.5uH
L16 = -: Datasheet: \\cern.ch\dfs\Applications\Altium\Datasheets\IND_COILCRAFT_XAL4020.pdf; Author: CERN DEM BC; Comment: 2.2uH; Component Kind: Standard; Component Type: Standard; ComponentHeight: 2.1mm; CreateDate: 08/07/19 00:00:00; Database Table Name: Inductors & Transformers; Footprint Library: Inductors SMD; Footprint Path: PcbLib\Inductors SMD.PcbLib; Footprint Ref: IND_COILCRAFT_XAL4020; HelpURL: \\cern.ch\dfs\Applications\Altium\Datasheets\IND_COILCRAFT_XAL4020.pdf; LatestRevisionDate: 08/07/19 00:00:00; Library Name: Inductors SMD; Library Path: SchLib\Inductors & Transformers.SchLib; Library Ref: Inductor With Magnetic core; License: CC-BY-SA 4.0; Manufacturer: COILCRAFT; Manufacturer Part Number: XAL4030-222ME; Mounted: Yes; Part Description: SMD Shielded Power Inductor; Pin Count: 2; Power: 4A; Resistance: 0.0352R; SMD: Yes; Sense: No; Socket: No; Tolerance: ±20%; Val: 2.2uH
LD1 LD2 LD4 = -: Datasheet: \\cern.ch\dfs\Applications\Altium\Datasheets\LED_KINGBRIGHT_KPH-1608CGCK.pdf; Description: Green; Library Ref: LED Green 1C 2A; Library Path: SchLib\LEDs & Displays.SchLib; Component Kind: Standard; Component Type: Standard; Color: Green; PackageDescription: SMT Green LED, Case 0603, Body L 1.6 x W 0.8mm H 0.65mm; Part Description: SMD Green LED, Case 1.6mmX0.8mm(0603), 0.65mm Thickness; Manufacturer: KINGBRIGHT; Manufacturer Part Number: KPH-1608CGCK; Pin Count: 2; Case: 0603; Mounted: Yes; Socket: No; SMD: Yes; PressFit: No; Sense: No; Bonding: No; ComponentHeight: 0.65mm; Footprint Path: PcbLib\ICs And Semiconductors SMD.PcbLib; HelpURL: \\cern.ch\dfs\Applications\Altium\Datasheets\LED_KINGBRIGHT_KPH-1608CGCK.pdf; Author: CERN DEM JLC; CreateDate: 07/03/17 00:00:00; LatestRevisionDate: 07/03/17 00:00:00; Database Table Name: ICs And Semiconductors; Library Name: LEDs & Displays; Footprint Library: ICs And Semiconductors SMD; License: CC-BY-SA 4.0
LD3 = -: Datasheet: \\cern.ch\dfs\Applications\Altium\Datasheets\LED_KINGBRIGHT_KPH-1608CGCK.pdf; Description: Green; SMD: Yes; Color: Green; Library Ref: LED Green 1C 2A; Library Path: SchLib\LEDs & Displays.SchLib; Component Kind: Standard; Component Type: Standard; PackageDescription: SMT Green LED, Case 0603, Body L 1.6 x W 0.8mm H 0.65mm; Part Description: SMD Green LED, Case 1.6mmX0.8mm(0603), 0.65mm Thickness; Manufacturer: KINGBRIGHT; Manufacturer Part Number: KPH-1608CGCK; Pin Count: 2; Case: 0603; Mounted: Yes; Socket: No; PressFit: No; Sense: No; Bonding: No; ComponentHeight: 0.65mm; Footprint Path: PcbLib\ICs And Semiconductors SMD.PcbLib; HelpURL: \\cern.ch\dfs\Applications\Altium\Datasheets\LED_KINGBRIGHT_KPH-1608CGCK.pdf; Author: CERN DEM JLC; CreateDate: 07/03/17 00:00:00; LatestRevisionDate: 07/03/17 00:00:00; Database Table Name: ICs And Semiconductors; Library Name: LEDs & Displays; Footprint Library: ICs And Semiconductors SMD; License: CC-BY-SA 4.0
NUT5-NUT8 = -: Datasheet: \\cern.ch\dfs\Applications\Altium\Datasheets\BOSSARD_BN628-1241427.pdf; Description: M2.5; SMD: No; Library Ref: Nut; Library Path: SchLib\Fasteners & Fixings.SchLib; Comment: M2.5; Component Kind: Standard; Component Type: Mechanical; Pin Count: 0; Footprint Path: PcbLib\Fasteners & Fixings.PcbLib; PackageDescription: M2.5 Hexagon Nut ~{0,8d,} ISO 4032 - DIN 934, Stainless Steel A2; Mounted: Yes; Socket: No; PressFit: No; Sense: No; Status: None; Part Description: M2.5 Hexagon Nut ~{0,8d,} ISO 4032 - DIN 934, Stainless Steel A2; Manufacturer: BOSSARD; Manufacturer Part Number: BN628 Art.1241427; ComponentHeight: 2mm; HelpURL: \\cern.ch\dfs\Applications\Altium\Datasheets\BOSSARD_BN628-1241427.pdf; Author: CERN DEM JMW; CreateDate: 12/04/15 00:00:00; LatestRevisionDate: 12/04/15 00:00:00; Database Table Name: Eletro-mechanical; Library Name: Fasteners & Fixings; Footprint Library: Fasteners & Fixings; License: CC-BY-SA 4.0
OSC1 = -: Datasheet: \\cern.ch\dfs\Applications\Altium\Datasheets\OSC_EPSON_SG-8018CE.pdf; Author: CERN DEM BC; Bonding: No; Comment: 50MHz; Component Kind: Standard; Component Type: Standard; ComponentHeight: 1.2mm; CreateDate: 08/11/21 00:00:00; Database Table Name: ICs And Semiconductors; Footprint Library: ICs And Semiconductors SMD; Footprint Path: PcbLib\ICs And Semiconductors SMD.PcbLib; Footprint Ref: OSC_EPSON_SG-8018CE; HelpURL: \\cern.ch\dfs\Applications\Altium\Datasheets\OSC_EPSON_SG-8018CE.pdf; LatestRevisionDate: 08/11/21 00:00:00; Library Name: Crystals & Oscillators; Library Path: SchLib\Crystals & Oscillators.SchLib; Library Ref: Oscillator 1OE 2GND 3OUT 4VCC; License: CC-BY-SA 4.0; Manufacturer: EPSON SEIKO; Manufacturer Part Number: SG-8018CE 50.0000M-TJHPA3; Mounted: Yes; PackageDescription: Oscillator, Corner Concave; 4 Pin, 2.50mm L X 3.20mm W X 1.20mm H; Part Description: 1.6 to 3.6V, ±50ppm, 15pF, -40 to 105°C, CMOS Surface Programmable Crystal Oscillator (SG-8018CE Series); Pin Count: 4; PressFit: No; SMD: Yes; Sense: No; Socket: No; Val: 50MHz
OSC3 = -: Datasheet: \\cern.ch\dfs\Applications\Altium\Datasheets\OSC_KYOCERA_KV7050B-C3.pdf; Author: CERN DEM MR; Bonding: No; Comment: 25MHz; Component Kind: Standard; Component Type: Standard; ComponentHeight: 1.6mm; CreateDate: 10/01/19 00:00:00; Database Table Name: ICs And Semiconductors; Footprint Library: ICs And Semiconductors SMD; Footprint Path: PcbLib\ICs And Semiconductors SMD.PcbLib; Footprint Ref: OSC_KYOCERA_KV7050B-C3; HelpURL: \\cern.ch\dfs\Applications\Altium\Datasheets\OSC_KYOCERA_KV7050B-C3.pdf; LatestRevisionDate: 10/01/19 00:00:00; Library Name: Crystals & Oscillators; Library Path: SchLib\Crystals & Oscillators.SchLib; Library Ref: Oscillator KYOCERA_KV7050B-C3; License: CC-BY-SA 4.0; Manufacturer: KYOCERA; Manufacturer Part Number: KV7050B25.0000C3GD00; Mounted: Yes; PackageDescription: SMD Oscillator, Side Concave; 2.54mm Pitch, 6 Pins, 5.00mm L X 7.00mm W X 1.60mm H, Crystal Kyocera; Part Description: ±50ppm, 15pF, Supply Voltage 3.3V, -40°C to +85°C, Surface Mount Crystal Oscillator VCXO, KV7050B-C3 Series; Pin Count: 6; PressFit: No; SMD: Yes; Sense: No; Socket: No; Val: 25MHz
OSC4 = -: Datasheet: \\cern.ch\dfs\Applications\Altium\Datasheets\OSC_CONNOR-WINFIELD_DOT050V.pdf; Author: CERN DEM JMW; Bonding: No; Comment: 10MHz; Component Kind: Standard; Component Type: Standard; ComponentHeight: 6.86mm; CreateDate: 08/08/16 00:00:00; Database Table Name: ICs And Semiconductors; Footprint Library: ICs And Semiconductors SMD; Footprint Path: PcbLib\ICs And Semiconductors SMD.PcbLib; Footprint Ref: OSC_CONNOR-WINFIELD_DOT050V; HelpURL: \\cern.ch\dfs\Applications\Altium\Datasheets\OSC_CONNOR-WINFIELD_DOT050V.pdf; LatestRevisionDate: 08/08/16 00:00:00; Library Name: Crystals & Oscillators; Library Path: SchLib\Crystals & Oscillators.SchLib; Library Ref: Oscillator 1VCO 3GND 4OUT 6VCC; License: CC-BY-SA 4.0; Manufacturer: CONNOR-WINFIELD; Manufacturer Part Number: DOT050V-010.0M; Mounted: Yes; PackageDescription: SMD VCTCXO, Side Concave, 6 Pins, 9.00mm x 14.0mm, DOT050V Series; Part Description: 3.3V, ±0.05ppm, 15pF, 0 to 70°C, LVCMOS, Precision Surface Mount VCTCXO Temperature Compensated Crystal Oscillator, DOT050V Series; Pin Count: 6; PressFit: No; SMD: Yes; Sense: No; Socket: No; Val: 10MHz
P1 = -: Datasheet: \\cern.ch\dfs\Applications\Altium\Datasheets\HARTING_02 01 160 2101.pdf; Description: HAR-BUS 64; SMD: No; Library Ref: Connector 160zabcd Male (5x32); Library Path: SchLib\Connectors.SchLib; Component Kind: Standard; Component Type: Standard; Pin Count: 162; Footprint Path: PcbLib\HARTING THD.PcbLib; Footprint Ref: HARTING_02 01 160 2101; Family: HAR-BUS 64; Mounted: Yes; Socket: No; PressFit: No; Sense: No; Status: None; Part Description: DIN 41612, har-bus 64, 160 poles,5 Rows z+a+b+c+d, Angled solder pins, Male contacts, Pitch 2.54mm; Manufacturer: HARTING; Manufacturer Part Number: 02 01 160 2101; ComponentHeight: 11.1mm; HelpURL: \\cern.ch\dfs\Applications\Altium\Datasheets\HARTING_02 01 160 2101.pdf; Author: CERN DEM JLC; CreateDate: 11/26/08 00:00:00; LatestRevisionDate: 07/26/22 00:00:00; Database Table Name: Connectors; Library Name: HARTING; Footprint Library: HARTING THD; License: CC-BY-SA 4.0; Field42: d; Field43: b; Field44: 25; Field45: 10; Field46: 30; Field47: 1; Field48: c; Field49: 32; Field50: 20; Field51: a; Field52: 15; Field53: 5
